# Altium PCB SmartHaloV1.PcbDoc (part 1 of 4) (continued)
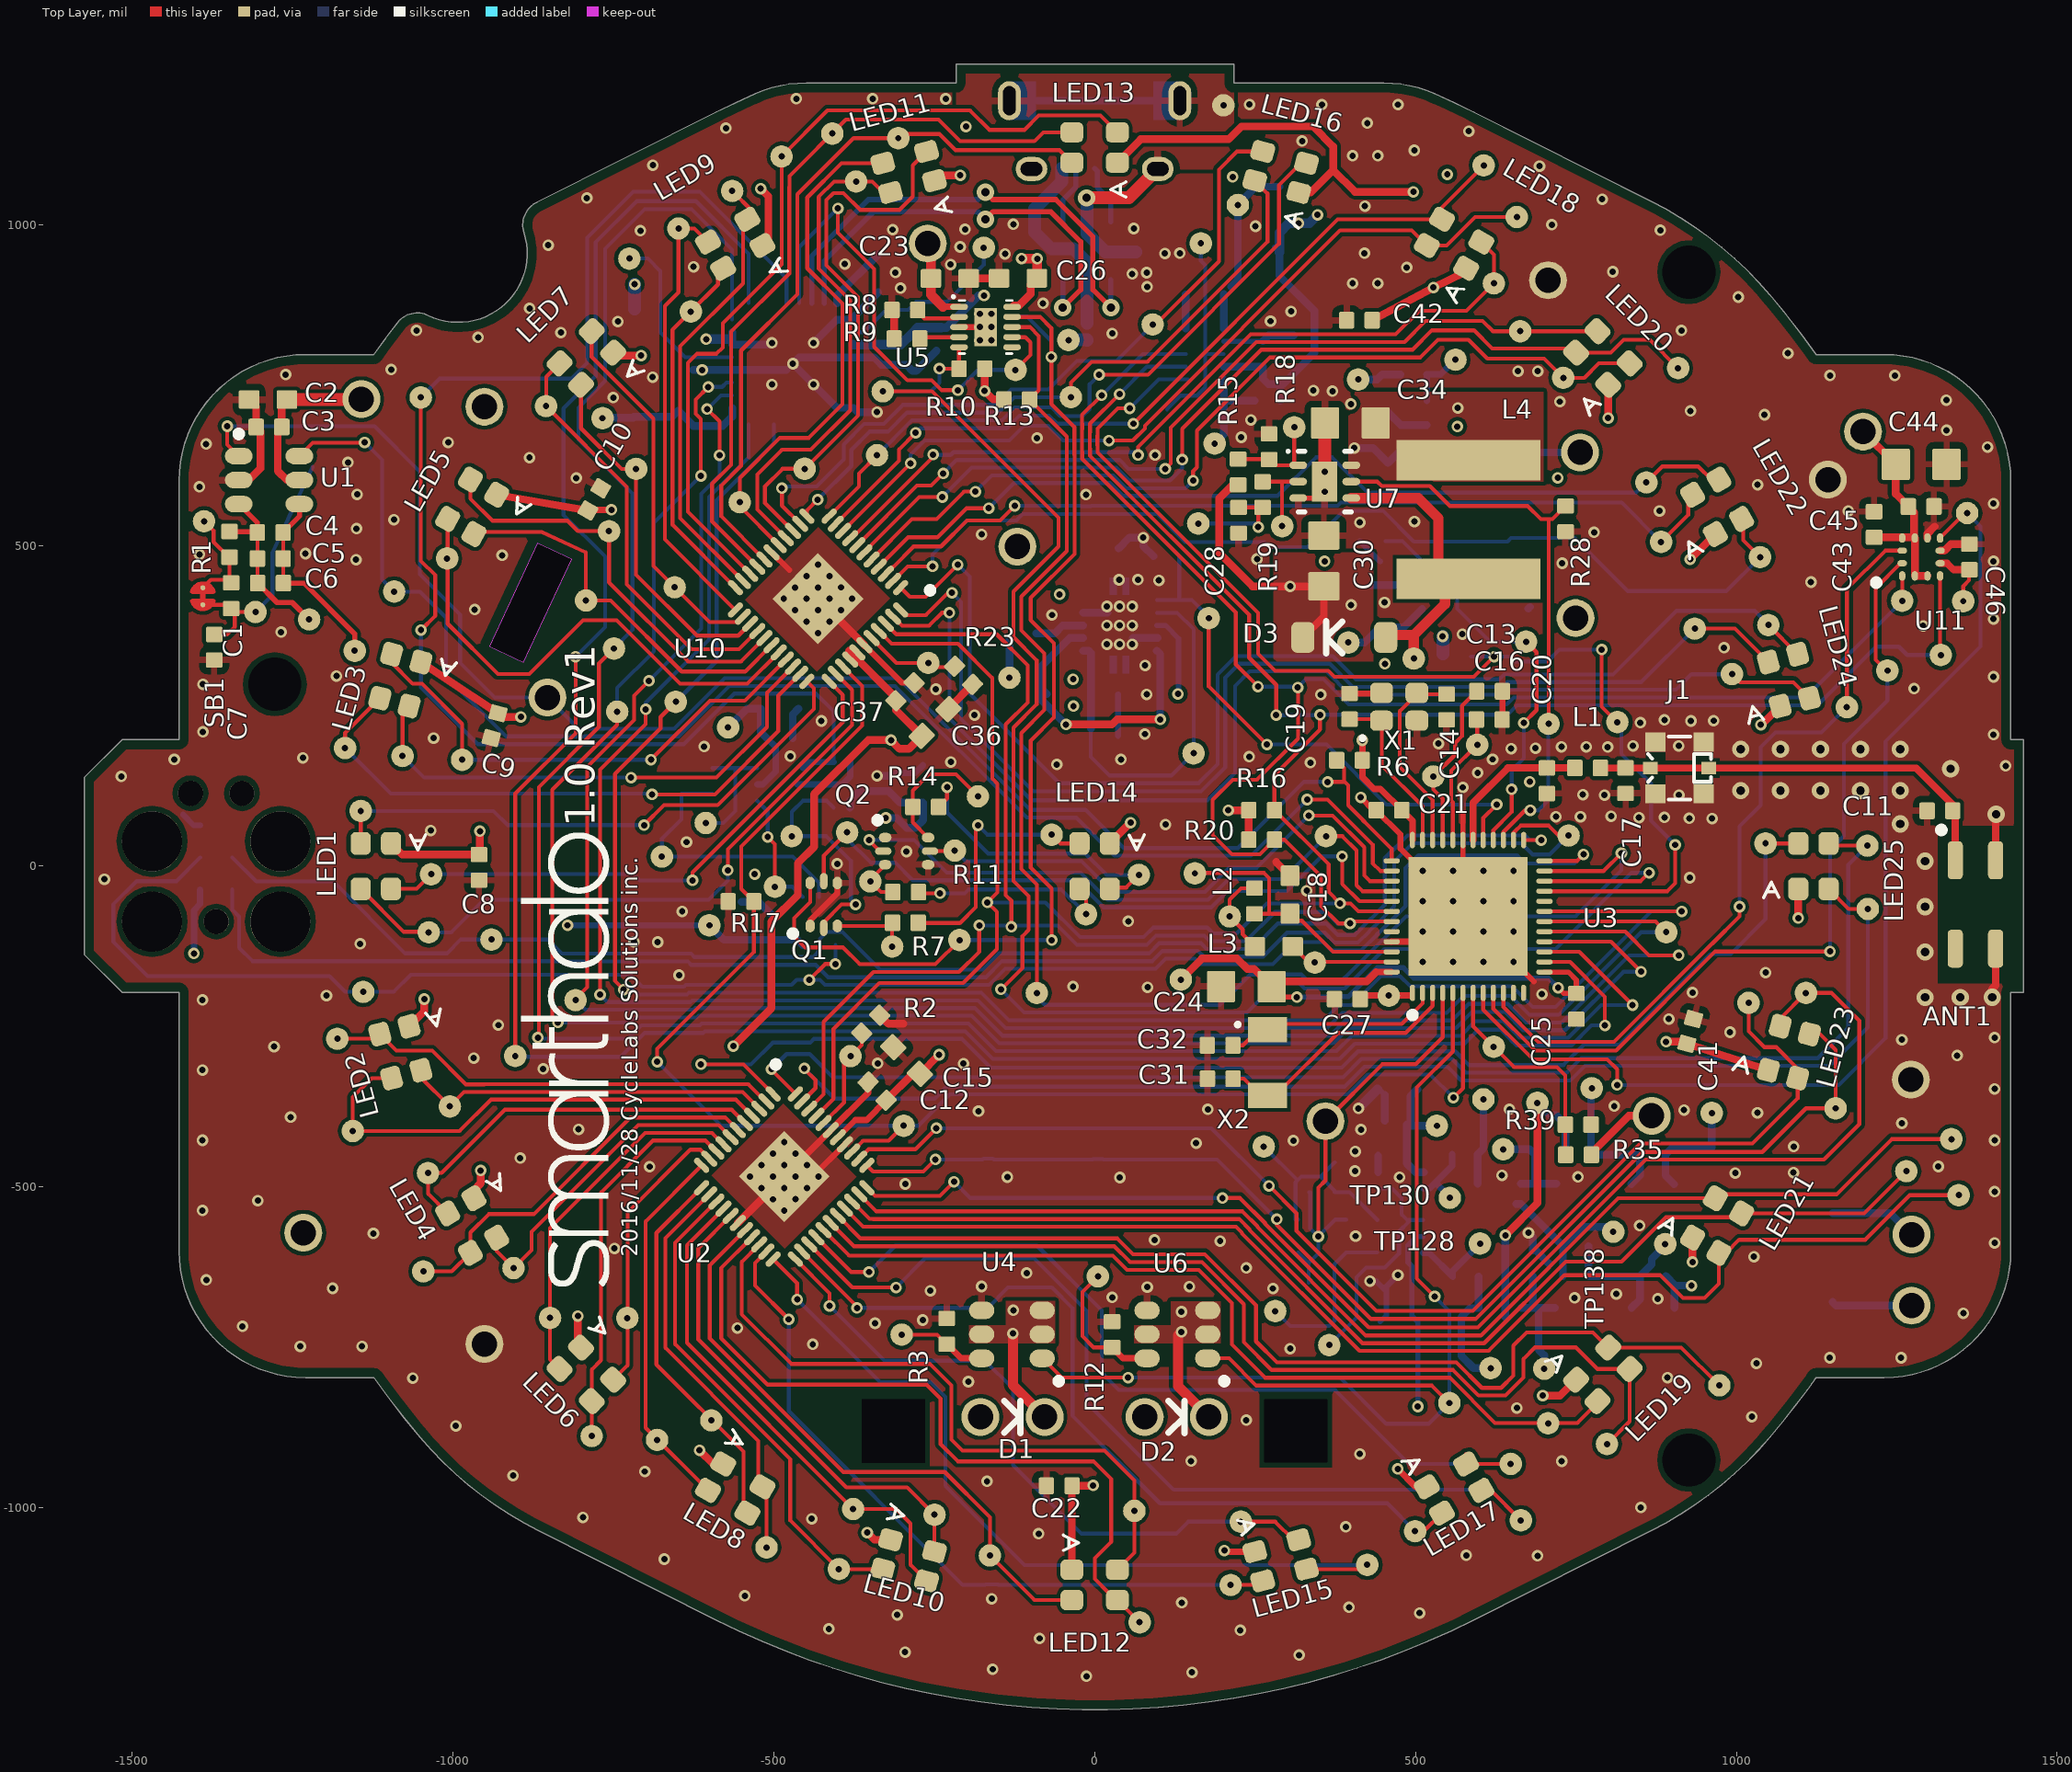
[diagram p0: Top Layer view]
## Components (designator, comment, footprint, x,y, rotation, side; value= is the part's Value field where it differs from the comment) (continued)
NT6 "NetTiePWR" NetTiePWR 60.3,967 r0 bottom net-tie
Q1 "NX3020NAKV" SOT666 -422.1,-59.7 r90 top
Q2 "NX3020NAKV" SOT666 -293,23.4 r0 top
Q3 "DSS5140V" SOT563 870,-708.1 r90 bottom
Q4 "DSS5140V" SOT563 869.6,-515.4 r90 bottom
Q5 "DSS4240V" SOT563 630.5,-514.6 r90 bottom
Q6 "DSS4240V" SOT563 631.4,-708.4 r90 bottom
Q7 "DSS4240V" SOT563 750.6,-708.2 r90 bottom
Q8 "DSS4240V" SOT563 753.4,-515.2 r90 bottom
R1 "2k Ohm" VARITRON_RES0402 -1348.2,501.5 r270 top
R2 "3.9k Ohm" VARITRON_RES0402 -349,-246.24 r45 top
R3 "100 Ohm" VARITRON_RES0402 -230.61,-724.88 r270 top
R4 "100k Ohm" VARITRON_RES0402 496.9,766.5 r180 bottom
R5 "3.3k Ohm" Varitron_RES0402 870,-639.3 r0 bottom
R6 "DNP" VARITRON_RES0402 397.2,165.1 r0 top
R7 "160 Ohm" VARITRON_RES0402 -295,-88.2 r0 top
R8 "560 Ohm" VARITRON_RES0402 -295.8,866.8 r180 top
R9 "1k Ohm" VARITRON_RES0402 -292.4,822.1 r180 top
R10 "DNP" VARITRON_RES0402 -191.4,775.3 r0 top
R11 "110 Ohm" VARITRON_RES0402 -294.6,-40.4 r0 top
R12 "100 Ohm" VARITRON_RES0402 27.24,-730.06 r270 top
R13 "DNP" VARITRON_RES0402 -121.4,727.4 r0 top
R14 "110 Ohm" VARITRON_RES0402 -263.3,92.2 r0 top
R15 "510k Ohm" VARITRON_RES0402 223.6,614.3 r270 top
R16 "4.7k Ohm" VARITRON_RES0402 260.2,87.2 r180 top
R17 "100k Ohm" VARITRON_RES0402 -551.1,-55 r0 top
R18 "33k Ohm" VARITRON_RES0402 271.8,653.8 r270 top
R19 "10k Ohm" VARITRON_RES0402 261.7,579.1 r270 top
R20 "4.7k Ohm" VARITRON_RES0402 260.2,41.2 r180 top
R21 "3.3k Ohm" Varitron_RES0402 869.6,-449.7 r0 bottom
R22 "3.3k Ohm" Varitron_RES0402 749.8,-639.1 r0 bottom
R23 "3.9k Ohm" VARITRON_RES0402 -204.16,297.46 r315 top
R24 "1.8k Ohm" VARITRON_RES0402 354.1,-508 r180 bottom
R25 "3.3k Ohm" Varitron_RES0402 753.5,-449.7 r0 bottom
R26 "100k Ohm" Varitron_RES0402 -595.7,132.7 r90 bottom
R27 "1.8k Ohm" VARITRON_RES0402 353.62,-649.26 r180 bottom
R28 "100k Ohm" VARITRON_RES0402 733.8,541.2 r270 top
R29 "100k Ohm" VARITRON_RES0402 433.2,506.5 r0 bottom
R30 "DNP" Varitron_RES0402 562.7,330.7 r180 bottom
R31 "100k Ohm" VARITRON_RES0402 111.8,482.8 r0 bottom
R32 "10k Ohm" VARITRON_RES0402 -234.3,863.7 r270 bottom
R33 "12k Ohm" VARITRON_RES0402 -278.3,899.4 r270 bottom
R34 "1k Ohm" Varitron_RES0402 113,691.9 r90 bottom
R35 "75k Ohm" Varitron_RES0402 754.1,-449.8 r0 top
R36 "12k Ohm" Varitron_RES0402 -696.7,868.3 r180 bottom
R37 "12k Ohm" Varitron_RES0402 -696.3,831 r180 bottom
R38 "1k Ohm" Varitron_RES0402 269.7,725.5 r180 bottom
R39 "12k Ohm" Varitron_RES0402 753.5,-402.9 r180 top
R40 "10k Ohm" Varitron_RES0402 577,-448.9 r180 bottom
R41 "10k Ohm" Varitron_RES0402 578.2,-639.7 r180 bottom
R42 "3.3k Ohm" Varitron_RES0402 682.8,-619.1 r90 bottom
R43 "3.3k Ohm" Varitron_RES0402 686.2,-429.6 r270 bottom
RSENSE1 "0.01 Ohm" Varitron_RES0805 171.5,901.4 r0 bottom
RT1 "NTCS0402E3103FLT" VARITRON_RES0402 -124.5,877 r270 bottom
SB1 "Solderbridge" Solderbridge_Shorted -1389.8,433.9 r270 top net-tie
TP1 "TP1" TESTPAD-TH-35mils 395.3,348.6 r180 bottom
TP2 "TP2" TESTPAD-TH-1_5mm 1142.7,602.5 r180 bottom
TP3 "TP3" TESTPAD-TH-1_5mm 868.03,-389 r180 bottom locked
TP4 "TP4" TESTPAD-TH-35mils 961.7,-384.7 r180 bottom
TP5 "TP5" TESTPAD-TH-1_5mm 1271.9,-332.6 r180 bottom
TP6 "TP6" TESTPAD-TH-1_5mm -950.9,-744.7 r180 bottom locked
TP7 "TP7" TESTPAD-TH-1_5mm -1233.2,-571.4 r180 bottom locked
TP8 "TP8" TESTPAD-TH-1_5mm -951,716 r180 bottom
TP9 "TP9" TESTPAD-TH-1_5mm 706.6,913.2 r180 bottom
TP10 "TP10" TESTPAD-TH-1_5mm 1197.42,677.3 r180 bottom
TP11 "TP11" TESTPAD-TH-1_5mm 756.5,644.9 r180 bottom
TP12 "TP12" TESTPAD-TH-35mils 134.3,-176.9 r180 bottom
TP13 "TP13" TESTPAD-TH-35mils -600.5,-92.2 r180 bottom locked
TP14 "TP14" TESTPAD-TH-35mils -571.2,216.3 r180 bottom
TP15 "TP15" TESTPAD-TH-35mils -766.8,698.2 r180 bottom
TP16 "TP16" TESTPAD-TH-1_5mm 749.4,386.6 r180 bottom
TP17 "TP17" TESTPAD-TH-35mils 533.3,-404.6 r180 bottom
TP18 "TP18" TESTPAD-TH-1_5mm -1142.7,727.9 r180 bottom locked
TP19 "TP19" TESTPAD-TH-1_5mm -260.2,970.4 r180 bottom locked
TP20 "TP20" TESTPAD-TH-35mils -40.8,819.9 r180 bottom
TP21 "TP21" TESTPAD-TH-1_5mm -120.4,498.1 r180 bottom locked
TP22 "TP22" TESTPAD-TH-35mils 410.6,758.5 r180 bottom
TP23 "TP23" TESTPAD-TH-35mils -1180.2,-269 r180 bottom locked
TP24 "TP24" TESTPAD-TH-35mils -1156.1,-412.8 r180 bottom locked
TP25 "TP25" TESTPAD-TH-35mils -1004.9,-374.4 r180 bottom locked
TP26 "TP26" TESTPAD-TH-35mils -1038.8,-478.2 r180 bottom locked
TP27 "TP27" TESTPAD-TH-35mils -1046.1,-631.5 r180 bottom locked
TP28 "TP28" TESTPAD-TH-35mils -905.5,-626.4 r180 bottom locked
TP29 "TP29" TESTPAD-TH-35mils -848.7,-704.1 r180 bottom locked
TP30 "TP30" TESTPAD-TH-35mils -783.7,-888.1 r180 bottom locked
TP31 "TP31" TESTPAD-TH-35mils -728.3,-704.3 r180 bottom locked
TP32 "TP32" TESTPAD-TH-35mils -681.8,-894.3 r180 bottom locked
TP33 "TP33" TESTPAD-TH-35mils -597.3,-863.7 r180 bottom locked
TP34 "TP34" TESTPAD-TH-35mils -511.3,-1061.8 r180 bottom locked
TP35 "TP35" TESTPAD-TH-35mils -398.62,-1095.58 r180 bottom locked
TP36 "TP36" TESTPAD-TH-35mils -376.4,-1001.9 r180 bottom locked
TP37 "TP37" TESTPAD-TH-35mils -249.58,-1010.82 r180 bottom locked
TP38 "TP38" TESTPAD-TH-35mils -163.2,-1074.3 r180 bottom locked
TP39 "TP39" TESTPAD-TH-35mils 70.1,-1178.37 r180 bottom locked
TP40 "TP40" TESTPAD-TH-35mils 61.9,-1004.8 r180 bottom locked
TP41 "TP41" TESTPAD-TH-35mils 211.9,-1120.3 r180 bottom locked
TP42 "TP42" TESTPAD-TH-35mils 424.8,-1088.8 r180 bottom locked
TP43 "TP43" TESTPAD-TH-35mils 227.7,-1021.7 r180 bottom locked
TP44 "TP44" TESTPAD-TH-35mils 499.3,-1036.4 r180 bottom locked
TP45 "TP45" TESTPAD-TH-35mils 664.1,-1019.5 r180 bottom locked
TP46 "TP46" TESTPAD-TH-35mils 648.4,-931.6 r180 bottom locked
TP47 "TP47" TESTPAD-TH-35mils 706.7,-868.3 r180 bottom locked
TP48 "TP48" TESTPAD-TH-35mils 798.5,-900.6 r180 bottom locked
TP49 "TP49" TESTPAD-TH-35mils 973.5,-809.1 r180 bottom locked
TP50 "TP50" TESTPAD-TH-35mils 1346.5,-512.8 r180 bottom locked
TP51 "TP51" TESTPAD-TH-35mils 1265,-475.3 r180 bottom locked
TP52 "TP52" TESTPAD-TH-35mils 1335,-425.5 r180 bottom locked
TP53 "TP53" TESTPAD-TH-35mils 1108.4,-197.6 r180 bottom locked
TP54 "TP54" TESTPAD-TH-35mils 1154.7,-377.4 r180 bottom locked
TP55 "TP55" TESTPAD-TH-35mils 1019.1,-213 r180 bottom locked
TP56 "TP56" TESTPAD-TH-35mils 1204.9,-66.7 r180 bottom locked
TP57 "TP57" TESTPAD-TH-35mils 1204.2,32 r180 bottom locked
TP58 "TP58" TESTPAD-TH-35mils 1045.47,35.43 r180 bottom locked
TP59 "TP59" TESTPAD-TH-35mils 1049.96,375.8 r180 bottom locked
TP60 "TP60" TESTPAD-TH-35mils 993.2,299.4 r180 bottom locked
TP61 "TP61" TESTPAD-TH-35mils 935.2,370.2 r180 bottom locked
TP62 "TP62" TESTPAD-TH-35mils 1318.7,329.1 r180 bottom locked
TP63 "TP63" TESTPAD-TH-35mils 1258.46,413.56 r180 bottom locked
TP64 "TP64" TESTPAD-TH-35mils 1235.4,304.8 r180 bottom locked
TP65 "TP65" TESTPAD-TH-35mils 1172.2,247.8 r180 bottom locked
TP66 "TP66" TESTPAD-TH-35mils 1037,481.6 r180 bottom locked
TP67 "TP67" TESTPAD-TH-35mils 859.8,598.1 r180 bottom locked
TP68 "TP68" TESTPAD-TH-35mils 882.7,505.3 r180 bottom locked
TP69 "TP69" TESTPAD-TH-35mils 663.17,833.77 r180 bottom locked
TP70 "TP70" TESTPAD-TH-35mils 909.2,776.2 r180 bottom locked
TP71 "TP71" TESTPAD-TH-35mils 730.3,761.1 r180 bottom locked
TP72 "TP72" TESTPAD-TH-35mils 622.2,908.4 r180 bottom locked
TP73 "TP73" TESTPAD-TH-35mils 657.9,1011.7 r180 bottom locked
TP74 "TP74" TESTPAD-TH-35mils 606.3,1092.1 r180 bottom locked
TP75 "TP75" TESTPAD-TH-35mils 1359.7,550.3 r180 bottom locked
TP76 "TP76" TESTPAD-TH-35mils 1353.6,413 r180 bottom locked
TP77 "TP77" TESTPAD-TH-35mils 738.5,47.8 r180 bottom locked
TP78 "TP78" TESTPAD-TH-35mils -1139.8,-195.9 r180 bottom locked
TP79 "TP79" TESTPAD-TH-35mils -940,-114.3 r180 bottom locked
TP80 "TP80" TESTPAD-TH-35mils -1037.8,-103.1 r180 bottom locked
TP81 "TP81" TESTPAD-TH-35mils -1033.9,-12.5 r180 bottom locked
TP82 "TP82" TESTPAD-TH-35mils -1143.7,86 r180 bottom locked
TP83 "TP83" TESTPAD-TH-35mils -1168.1,184.1 r180 bottom locked
TP84 "TP84" TESTPAD-TH-35mils -1078.6,171.7 r180 bottom locked
TP85 "TP85" TESTPAD-TH-35mils -985.7,165.9 r180 bottom locked
TP86 "TP86" TESTPAD-TH-35mils -1050.1,730.5 r180 bottom locked
TP87 "TP87" TESTPAD-TH-35mils -1009,479.6 r180 bottom locked
TP88 "TP88" TESTPAD-TH-35mils -792.7,414.1 r180 bottom locked
TP89 "TP89" TESTPAD-TH-35mils -756.8,522.2 r180 bottom locked
TP90 "TP90" TESTPAD-TH-35mils -854.9,717 r180 bottom locked
TP91 "TP91" TESTPAD-TH-35mils -714.6,619.1 r180 bottom locked
TP92 "TP92" TESTPAD-TH-35mils -654.5,434.7 r180 bottom locked
TP93 "TP93" TESTPAD-TH-35mils -629.3,864.4 r180 bottom locked
TP94 "TP94" TESTPAD-TH-35mils -648.4,993.8 r180 bottom locked
TP95 "TP95" TESTPAD-TH-35mils -564.9,1052.4 r180 bottom locked
TP96 "TP96" TESTPAD-TH-35mils 552.8,-836.7 r180 bottom locked
TP97 "TP97" TESTPAD-TH-35mils -300.7,-730.1 r180 bottom locked
TP98 "TP98" TESTPAD-TH-35mils 5.1,-639.3 r180 bottom locked
TP99 "TP99" TESTPAD-TH-35mils 69,-13.6 r180 bottom locked
TP100 "TP100" TESTPAD-TH-1_5mm -852.7,262.8 r180 bottom locked
TP101 "TP101" TESTPAD-TH-35mils -1091.6,427.9 r180 bottom locked
TP102 "TP102" TESTPAD-TH-35mils -1153.1,335.7 r180 bottom locked
TP103 "TP103" TESTPAD-TH-35mils -1224.1,384.6 r180 bottom locked
TP104 "TP104" TESTPAD-TH-35mils -1307.7,396.1 r180 bottom locked
TP105 "TP105" TESTPAD-TH-35mils -13.5,-74.9 r180 bottom locked
TP106 "TP106" TESTPAD-TH-35mils -67,49.1 r180 bottom locked
TP107 "TP107" TESTPAD-TH-35mils -218,24.3 r180 bottom locked
TP108 "TP108" TESTPAD-TH-35mils -385.7,52.6 r180 bottom locked
TP109 "TP109" TESTPAD-TH-35mils 360.5,46.7 r180 bottom locked
TP110 "TP110" TESTPAD-TH-35mils -181.8,108.8 r180 bottom locked
TP111 "TP111" TESTPAD-TH-35mils -210.6,-115.2 r180 bottom locked
TP112 "TP112" TESTPAD-TH-35mils -315.6,-125.4 r180 bottom locked
TP113 "TP113" TESTPAD-TH-35mils -349.5,-23.8 r180 bottom locked
TP114 "TP114" TESTPAD-TH-35mils -472,46.7 r180 bottom locked
TP115 "TP115" TESTPAD-TH-35mils -297.6,-404.5 r180 bottom locked
TP116 "TP116" TESTPAD-TH-35mils -487.8,1106.12 r180 bottom locked
TP117 "TP117" TESTPAD-TH-35mils -408.8,1141.8 r180 bottom locked
TP118 "TP118" TESTPAD-TH-35mils -306,1134.6 r180 bottom locked
TP119 "TP119" TESTPAD-TH-35mils -451.9,619.3 r180 bottom locked
TP120 "TP120" TESTPAD-TH-35mils -371.7,1067 r180 bottom locked
TP121 "TP121" TESTPAD-TH-35mils -553,567.3 r180 bottom locked
TP122 "TP122" TESTPAD-TH-35mils 90.5,844.2 r180 bottom locked
TP123 "TP123" TESTPAD-TH-35mils -339.2,640.5 r180 bottom locked
TP124 "TP124" TESTPAD-TH-35mils -37,730.9 r180 bottom locked
TP125 "TP125" TESTPAD-TH-1_5mm 359.7,-397.4 r180 bottom locked
TP126 "TP126" TESTPAD-TH-35mils 263.5,-436.9 r180 bottom locked
TP127 "TP127" TESTPAD-TH-35mils 281.4,-693.5 r180 bottom locked
TP128 "TP128" TESTPAD-TH-35mils 600.6,-588.2 r180 bottom locked
TP129 "TP129" TESTPAD-TH-35mils 365.6,-746.3 r180 bottom
TP130 "TP130" TESTPAD-TH-35mils 553.5,-516.9 r180 bottom locked
TP131 "TP131" TESTPAD-TH-35mils 617,-782.3 r180 bottom locked
TP132 "TP132" TESTPAD-TH-35mils 689.9,-368.9 r180 bottom
TP133 "TP133" TESTPAD-TH-35mils 700.6,-783.3 r180 bottom locked
TP134 "TP134" TESTPAD-TH-35mils 889.1,-589 r180 bottom
TP135 "TP135" TESTPAD-TH-35mils 774.7,-346.1 r180 bottom locked
TP136 "TP136" TESTPAD-TH-35mils 636.7,-441.2 r180 bottom
TP137 "TP137" TESTPAD-TH-35mils 605.8,-363.4 r180 bottom
TP138 "TP138" TESTPAD-TH-35mils 808.2,-569.8 r180 bottom
TP139 "TP139" TESTPAD-TH-1_5mm 1273.1,-574.2 r180 bottom locked
TP140 "TP140" TESTPAD-TH-1_5mm 1273.1,-684.9 r180 bottom locked
TP141 "TP141" TESTPAD-TH-35mils -1387.8,537.5 r180 bottom locked
TP142 "TP142" TESTPAD-TH-35mils -749.1,339.2 r180 bottom locked
TP143 "TP143" TESTPAD-TH-35mils -744.1,240.7 r180 bottom locked
TP144 "TP144" TESTPAD-TH-35mils -652.8,256.1 r180 bottom locked
TP145 "TP145" TESTPAD-TH-35mils -808.8,-208.8 r180 bottom locked
TP146 "TP146" TESTPAD-TH-35mils -902.9,-295.9 r180 bottom locked
TP147 "TP147" TESTPAD-TH-35mils 890.7,-102.9 r180 bottom locked
TP148 "TP148" TESTPAD-TH-35mils -123.4,773.4 r180 bottom locked
TP149 "TP149" TESTPAD-TH-35mils -330.1,740.1 r180 bottom locked
TP150 "TP150" TESTPAD-TH-35mils -90.1,-197.8 r180 bottom locked
TP151 "TP151" TESTPAD-TH-35mils -725,947 r180 bottom locked
TP152 "TP152" TESTPAD-TH-35mils -172.8,963.8 r180 bottom locked
TP153 "TP153" TESTPAD-TH-35mils -606,67.3 r180 bottom locked
TP154 "TP154" TESTPAD-TH-35mils -674.4,14.9 r180 bottom locked
TP155 "TP155" TESTPAD-TH-35mils -498.2,-32.1 r180 bottom locked
TP156 "TP156" TESTPAD-TH-35mils -259.3,316.7 r180 bottom locked
TP157 "TP157" TESTPAD-TH-35mils -380.4,-296.1 r180 bottom locked
TP158 "TP158" TESTPAD-TH-35mils 156.2,-11.2 r180 bottom locked
TP159 "TP159" TESTPAD-TH-35mils 210.4,-78.4 r180 bottom locked
TP160 "TP160" TESTPAD-TH-35mils 177.8,386.5 r180 bottom locked
TP161 "TP161" TESTPAD-TH-35mils 707.4,221.9 r180 bottom locked
TP162 "TP162" TESTPAD-TH-35mils 672.3,349.8 r180 bottom locked
TP163 "TP163" TESTPAD-TH-35mils 814.5,224.4 r180 bottom locked
TP164 "TP164" TESTPAD-TH-35mils 527.8,139.8 r180 bottom locked
TP165 "TP165" TESTPAD-TH-35mils 596.2,189.1 r180 bottom locked
TP166 "TP166" TESTPAD-TH-35mils 161.5,534 r180 bottom locked
TP167 "TP167" TESTPAD-TH-35mils 458.4,-201.8 r180 bottom locked
TP168 "TP168" TESTPAD-TH-35mils 343,-150.2 r180 bottom locked
TP169 "TP169" TESTPAD-TH-35mils 187,658.6 r180 bottom locked
TP170 "TP170" TESTPAD-TH-35mils 292.2,529.9 r180 bottom locked
TP171 "TP171" TESTPAD-TH-35mils 154.2,175.9 r180 bottom locked
TP172 "TP172" TESTPAD-TH-35mils 497.3,323.6 r180 bottom locked
TP173 "TP173" TESTPAD-TH-35mils 223.2,1030.4 r180 bottom
TP174 "TP174" TESTPAD-TH-35mils -132.8,293.7 r180 bottom locked
TP175 "TP175" TESTPAD-TH-35mils 562.3,789.4 r180 bottom locked
TP176 "TP176" TESTPAD-TH-35mils 200.7,1185.8 r180 bottom locked
TP177 "TP177" TESTPAD-TH-35mils 165.5,970.7 r180 bottom locked
TP178 "TP178" TESTPAD-TH-35mils 621.9,-281.4 r180 bottom locked
TP179 "TP179" TESTPAD-TH-35mils 311,684.1 r180 bottom locked
U1 "AT42QT1010" 6ST1_N -1286.53,601.75 r0 top locked
U2 "IS31FL3236-QFLS2-TR" QFN-44 -483.7,-483.7 r315 top locked
U3 "nRF52832-QFAA" QFN40P600X600X90-48N 581.9,-78.4 r90 top
U4 "IS31LT3171" SOT23-6 -128.94,-729.65 r90 top
U5 "BQ24040DSQR" DSQ10-1500X900TP -170,840.2 r270 top
U6 "IS31LT3171" SOT23-6 128.94,-729.65 r90 top
U7 "TPS61170DRVR" DRV6-1600X1000TP 358.6,599.3 r0 top
U8 "74LVC2GU04DCKRG4" SOT363_SC70_6 477.31,-476.87 r90 bottom
U9 "NL27WZ14DFT2G" SOT363_SC70_6 476.15,-577.02 r90 bottom
U10 "IS31FL3236-QFLS2-TR" QFN-44 -431.1,416.7 r225 top
U11 "LSM303AGR" LGA12-2X2X1_N 1287.98,481.9 r90 top locked
U12 "TLV70028DDCR" SOT23-5_N 557.8,438.32 r0 bottom
U13 "TLV70028DDCR" SOT23-5_N 564.9,687.62 r0 bottom
U14 "STC3115AIQT" DFN10 171.57,798.13 r90 bottom
U15 "TPS61202DRCR" DRC10-2400X1650TP 38.9,375.2 r0 bottom
U16 "CY7C65213-32LTXI" QFN-32-TP -470.4,783.1 r0 bottom
U17 "USBLC6-2SC6" ST-SOT23-6 -12.1,959.1 r0 bottom
U18 "74LVC2GU04DCKRG4" SOT363_SC70_6 -381.13,126.7 r0 bottom
U19 "74LVC2GU04DCKRG4" SOT363_SC70_6 -490.4,127.4 r270 bottom
U20 "MC74VHC1G00DFT1G" SC70-5 -429.47,-85.5 r0 bottom
X1 "CX2016DB32000D0WPRC1" CRYSTAL_2016_4PINS 474.5,248.4 r0 top
X2 "ST3215SB32768E0HPWB1" CRYSTAL_3215_2PINS 269.24,-305.95 r270 top

## Footprints (in the part's own frame and the unit in brackets; to place one, negate y for a bottom-side part, rotate by r counter-clockwise, add the part's x,y. Pads: shape width x height; smd on the part's side, far side on the other; paste and mask are expansions set on the pad)
6ST1_N [mm] "SOT23, 6-Leads, Body 2.9x1.6mm, Pitch 0.95mm, Lead Span 2.8mm, IPC Medium Density"
  oval 1.1x0.65 smd mask+0.076: 1(-1.2,0.95) 2(-1.2,0) 3(-1.2,-0.95) 4(1.2,-0.95) 5(1.2,0) 6(1.2,0.95)
  silkscreen extent -1.32,1.7 -1.07,1.95, body extent -0.87,-1.5 0.87,1.5, height 1.45
2450AT42E010B [mm] "2.4 GHz Low Profile Mini Chip Antenna, Above Metal, 4 pads, 1.5 x 0.6 mm pads, 3.5 x 1.6 mm pitch, 6.26 x 3 mm metal clearance"
  rrect50% 1.5x0.6 smd: 1(1.75,0.8) 2(-1.75,0.8) 3(-1.75,-0.8) 4(1.75,-0.8)
  Top Layer pour cut-out: -3.13,-1.5 -3.13,1.5 3.13,1.5 3.13,-1.5
  silkscreen extent 2.83,1.22 3.07,1.47, body extent -2.5,-1 2.5,1, height 1.52
10118194-0001LF [mm] "Micro USB B Type Receptacle, 5 pins, 0.4 x 1.35 mm pads"
  rrect100% 0.9x1.55 hole 0.5 slot 1.15 at 90 deg: 0(-3.375,-2.675) 0(3.375,-2.675)
  rect 0.5x0.5 smd paste-0.1 mask-0.1: 0(-2.6,-2.675) 0(2.6,-2.675)
  rrect100% 1.25x0.95 hole 0.55 slot 0.85 at 0 deg: 0(-2.5,0.025) 0(2.5,0.025)
  rect 1.5x1.55 smd: 0(-1,-2.675) 0(1,-2.675)
  oval 0.4x1.35 smd mask+0.051: 1(-1.3,0) 2(-0.65,0) 3(0,0) 4(0.65,0) 5(1.3,0)
  Top Layer region: -3.325,-3.425 -3.516,-3.387 -3.679,-3.279 -3.787,-3.116 -3.825,-2.925 -3.825,-2.925 -3.825,-2.425 -3.787,-2.234 -3.679,-2.071 -3.516,-1.963 -3.325,-1.925 -3.325,-1.925 -2.325,-1.925 -2.325,-3.425
  Top Layer region: 3.325,-1.925 3.516,-1.963 3.679,-2.071 3.787,-2.234 3.825,-2.425 3.825,-2.425 3.825,-2.925 3.787,-3.116 3.679,-3.279 3.516,-3.387 3.325,-3.425 3.325,-3.425 2.325,-3.425 2.325,-1.925
  body extent -3.7,-4.82 3.7,0.13, height 3.06
59453061110ECHLF [mm] "Connector, 6 contacts, 0.3 x 0.9 mm pads, 0.52 x 1.0 mm mechanical pads, 0.5 mm pitch"
  oval 0.52x1 smd: 0(-1.99,-1.2) 0(1.99,-1.2)
  oval 0.3x0.9 smd mask+0.051: 1(-1.25,0) 2(-0.75,0) 3(-0.25,0) 4(0.25,0) 5(0.75,0) 6(1.25,0)
  silkscreen extent -2.25,-3.35 2.25,-0.15, body extent -2.25,-3.35 2.25,-0.15, height 0.9
709296001002006 [mm] "Connector Wire to Board, 2.0 x 2.0 mm, 2 pads, 2.4 x 2.2 mm, 4 mm pitch"
  rect 2.4x2.2 smd: 1(-2,0) 1(2,0)
  silkscreen extent -0.6,-1.4 0.51,1.4, body extent -3,-1 3,1, height 2
BM02(3)B-ADHSS-GAN-ETB [mm] "ADH Connector, 2 pins, 0.9 x 0.6 mm pads, 2 mecanical pads 2.2 x 0.75 mm"
  rect 2.2x0.75 smd: 0(-3.4,-2.525) 0(-3.4,2.525)
  rect 0.9x0.6 smd: 1(0,1.3) 2(0,-1.3)
  silkscreen extent 0.52,2.53 0.77,2.77, body extent -4,-2.85 0.3,2.85, height 1.9
COAXIAL-SWF [mm]
  rect 0.5x0.58 smd: 1(0,1.16) 3(0,-1.16)
  rect 0.75x0.8 smd: 2(-1.025,0.95) 2(-1.025,-0.95) 2(1.025,-0.95) 2(1.025,0.95)
  Top Layer pour cut-out: 0.65,-0.55 -0.65,-0.55 -0.65,-1.35 0.65,-1.35
  Top Layer pour cut-out: -0.65,0.55 0.65,0.55 0.65,1.35 -0.65,1.35
  silkscreen extent -1.25,-1.25 1.25,1.25
CRYSTAL_2016_4PINS [mm] "CRYSTAL 2.0 x 1.6 mm, 4 Pads, 1.4 mm Horizontal Pitch, 1.1 mm Vertical Pitch"
  rrect50% 0.9x0.8 smd: 1(-0.7,-0.55) 2(0.7,-0.55) 3(0.7,0.55) 4(-0.7,0.55)
  silkscreen extent -1.47,-1.27 -1.42,-1.22, body extent -1,-0.8 1,0.8, height 0.4
CRYSTAL_3215_2PINS [mm] "CRYSTAL 3.2 x 1.5 x 0.8 mm, 2 Pads 1.0 x 1.55 mm, 2.6 mm pitch"
  rect 1x1.55 smd: 1(-1.3,0) 2(1.3,0)
  silkscreen extent -1.53,-1.2 -1.47,-1.15, body extent -1.6,-0.75 1.6,0.75, height 0.8
DFN10 [mm] "DFN10, 10 pins, 2 x 3 x 0.55 mm body, 0.35 x 0.85 mm pads, 0.5 mm x 1.5 mm pitch."
  oval 0.35x1 smd: 1(-1,-0.675)
  oval 0.35x0.85 smd: 2(-0.5,-0.75) 3(0,-0.75) 4(0.5,-0.75) 5(1,-0.75) 6(1,0.75) 7(0.5,0.75) 8(0,0.75) 9(-0.5,0.75) 10(-1,0.75)
  silkscreen extent -1.6,-1.55 -1.5,-1.45, body extent -1.5,-1 1.5,1, height 0.55
DRC10-2400X1650TP [mm] "SON, 10-Leads, Body 3x3mm, Pitch 0.5mm, Thermal Pad 2.4x1.65mm, TI Recommended"
  oval 0.85x0.28 smd paste-0.025 mask+0.07: 1(-1.475,1) 2(-1.475,0.5) 3(-1.475,0) 4(-1.475,-0.5) 5(-1.475,-1) 6(1.475,-1) 7(1.475,-0.5) 8(1.475,0) 9(1.475,0.5) 10(1.475,1)
  rect 1.65x2.4 smd paste-0.825 mask+0.07: 11(0,0)
  Top Layer region: -0.389,-1.198 -0.109,-1.198 -0.109,-1.898 -0.389,-1.898
  Top Layer region: 0.389,-1.898 0.109,-1.898 0.109,-1.198 0.389,-1.198
  Top Layer region: 0.389,1.198 0.109,1.198 0.109,1.898 0.389,1.898
  Top Layer region: -0.389,1.898 -0.109,1.898 -0.109,1.198 -0.389,1.198
  silkscreen extent -2.15,-1.7 1.7,1.7, body extent -1.55,-1.55 1.55,1.55, height 1
DRV6-1600X1000TP [mm] "SON, 6-Leads, Body 2x2mm, Pitch 0.65mm, Thermal Pad 1.6x1mm, TI Recommended"
  oval 0.7x0.3 smd paste-0.025 mask+0.07: 1(-1.05,0.65) 2(-1.05,0) 3(-1.05,-0.65) 4(1.05,-0.65) 5(1.05,0) 6(1.05,0.65)
  rect 1x1.6 smd paste-0.5 mask+0.07: 7(0,0)
  silkscreen extent -1.5,-1.2 1.05,1.25, body extent -1.05,-1.05 1.05,1.05, height 0.8
DSQ10-1500X900TP [mm] "WSON-10, 10 pins, 0.23 x 0.7 mm pads, 0.4 x 2.1 mm pitch, Thermal pad 0.9 x 1.5 mm"
  oval 0.23x0.7 smd mask+0.051: 1(-0.8,-1.05) 2(-0.4,-1.05) 3(0,-1.05) 4(0.4,-1.05) 5(0.8,-1.05) 6(0.8,1.05) 7(0.4,1.05) 8(0,1.05) 9(-0.4,1.05) 10(-0.8,1.05)
  rect 1.5x0.9 smd mask+0.051: 11(0,0)
  silkscreen extent -1.25,-1.32 1.05,1.05, body extent -1.05,-1.05 1.05,1.05, height 0.8
FRONTLED_PADS [mm] "Front Led pads"
  round 1.5 hole 1: 1(-1.27,0) 2(1.27,0)
  silkscreen extent -0.34,-0.64 0.3,0.64
JLINK_6PIN_NEEDLE_ADAPTER [mil] "JLINK 6 PIN NEEDLE ADAPTER FOOTPRINT: Only for development (DNP)"
  round 93.5 hole 93.5 unplated paste-93.5: 0(-100,-100) 0(-100,100) 0(25,-100) 0(25,100)
  round 39 hole 39 unplated paste-39: 0(-100,0) 0(100,-40) 0(100,40)
  round 31 smd paste-31: 1(-50,-25) 2(-50,25) 3(0,-25) 4(0,25) 5(50,-25) 6(50,25)
  Mechanical 3 keep-out region: -130.5,147 -69.5,147 -69.5,193 -130.5,193
  Mechanical 3 keep-out region: -5.5,147 55.5,147 55.5,193 -5.5,193
  Mechanical 3 keep-out region: -130.5,-193 -69.5,-193 -69.5,-147 -130.5,-147
  Mechanical 3 keep-out region: -5.5,-193 55.5,-193 55.5,-147 -5.5,-147
  Mechanical 3 keep-out region: -50,-25 -50,25 50,25 50,-25
LGA12-2X2X1_N [mm] "PQFN, 12-Leads, Body 2x2mm, Pitch 0.5mm, IPC Medium Density"
  oval 0.375x0.25 smd mask+0: 1(-0.75,0.75) 2(-0.75,0.25) 3(-0.75,-0.25) 4(-0.75,-0.75) 7(0.75,-0.75) 8(0.75,-0.25) 9(0.75,0.25) 10(0.75,0.75)
  oval 0.25x0.375 smd mask+0: 5(-0.25,-0.75) 6(0.25,-0.75) 11(0.25,0.75) 12(-0.25,0.75)
  silkscreen extent -1.14,1.65 -0.89,1.9, body extent -1.14,-1.14 1.14,1.14, height 1
LTSN-N213EGBW [mm] "SMD LED LiteOn LTSN-N213EGBW, 2.1 x 2.1 mm, 1.2 x 1.8mm pitch"
  rrect50% 0.8x0.9 smd: 1(-0.6,-0.9) 2(0.6,-0.9) 3(0.6,0.9) 4(-0.6,0.9)
  silkscreen extent -1.97,-1.24 -1.36,-0.64, body extent -1.05,-1.05 1.05,1.05, height 1
NetTiePWR [mil] "NetTie for Power Nets"
  rect 20x20 smd paste-10 mask+0: 1(10,10) 2(30,10)
ONSC-SOD-123-2-425-04_V [mil] "Schottky Power Rectifier, 2-Pin SOD-123, Pb-Free, Tape and Reel"
  rrect50% 36x48 smd: 1(-64.5,0) 2(64.5,0)
  silkscreen extent -28,-25 -3,25, body extent -73,-32 73,32, height 53
QFN40P600X600X90-48N [mm]
  oval 0.65x0.2 smd: 1(-3.025,2.2) 2(-3.025,1.8) 3(-3.025,1.4) 4(-3.025,1) 5(-3.025,0.6) 6(-3.025,0.2) 7(-3.025,-0.2) 8(-3.025,-0.6) 9(-3.025,-1) 10(-3.025,-1.4) 11(-3.025,-1.8) 12(-3.025,-2.2) 25(3.025,-2.2) 26(3.025,-1.8) 27(3.025,-1.4) 28(3.025,-1) 29(3.025,-0.6) 30(3.025,-0.2) 31(3.025,0.2) 32(3.025,0.6) 33(3.025,1) 34(3.025,1.4) 35(3.025,1.8) 36(3.025,2.2)
  oval 0.2x0.65 smd: 13(-2.2,-3.025) 14(-1.8,-3.025) 15(-1.4,-3.025) 16(-1,-3.025) 17(-0.6,-3.025) 18(-0.2,-3.025) 19(0.2,-3.025) 20(0.6,-3.025) 21(1,-3.025) 22(1.4,-3.025) 23(1.8,-3.025) 24(2.2,-3.025) 37(2.2,3.025) 38(1.8,3.025) 39(1.4,3.025) 40(1,3.025) 41(0.6,3.025) 42(0.2,3.025) 43(-0.2,3.025) 44(-0.6,3.025) 45(-1,3.025) 46(-1.4,3.025) 47(-1.8,3.025) 48(-2.2,3.025)
  rect 4.7x4.7 smd: 49(0,0)
  silkscreen extent -4.02,2.07 -3.78,2.32, body extent -3,-3 3,3, height 0.9
QFN-32-TP [mm] "QFN-32, 5.0 x 5.0 x 1.0 mm body, 0.25 x 0.7 mm pads, 2.75 x 2.75 thermal pad"
  oval 0.7x0.25 smd mask+0.051: 1(-2.4,1.75) 2(-2.4,1.25) 3(-2.4,0.75) 4(-2.4,0.25) 5(-2.4,-0.25) 6(-2.4,-0.75) 7(-2.4,-1.25) 8(-2.4,-1.75) 17(2.4,-1.75) 18(2.4,-1.25) 19(2.4,-0.75) 20(2.4,-0.25) 21(2.4,0.25) 22(2.4,0.75) 23(2.4,1.25) 24(2.4,1.75)
  oval 0.25x0.7 smd mask+0.051: 9(-1.75,-2.4) 10(-1.25,-2.4) 11(-0.75,-2.4) 12(-0.25,-2.4) 13(0.25,-2.4) 14(0.75,-2.4) 15(1.25,-2.4) 16(1.75,-2.4) 25(1.75,2.4) 26(1.25,2.4) 27(0.75,2.4) 28(0.25,2.4) 29(-0.25,2.4) 30(-0.75,2.4) 31(-1.25,2.4) 32(-1.75,2.4)
  rect 2.75x2.75 smd mask+0.051: 33(0,0)
  silkscreen extent -3.17,2.58 -2.93,2.82, body extent -2.5,-2.5 2.5,2.5, height 1
QFN-44 [mm] "QFN-44, 5 x 5 x 0.8 mm body, 0.25 x 0.8 mm pads, 0.4 pin pitch, 2.55 x 2.55 mm thermal pad"
  oval 0.75x0.25 smd mask+0.064: 1(-2.625,2) 11(-2.625,-2) 23(2.625,-2) 33(2.625,2)
  oval 0.8x0.25 smd mask+0.064: 2(-2.6,1.6) 3(-2.6,1.2) 4(-2.6,0.8) 5(-2.6,0.4) 6(-2.6,0) 7(-2.6,-0.4) 8(-2.6,-0.8) 9(-2.6,-1.2) 10(-2.6,-1.6) 24(2.6,-1.6) 25(2.6,-1.2) 26(2.6,-0.8) 27(2.6,-0.4) 28(2.6,0) 29(2.6,0.4) 30(2.6,0.8) 31(2.6,1.2) 32(2.6,1.6)
  oval 0.25x0.75 smd mask+0.064: 12(-2,-2.625) 22(2,-2.625) 34(2,2.625) 44(-2,2.625)
  oval 0.25x0.8 smd mask+0.064: 13(-1.6,-2.6) 14(-1.2,-2.6) 15(-0.8,-2.6) 16(-0.4,-2.6) 17(0,-2.6) 18(0.4,-2.6) 19(0.8,-2.6) 20(1.2,-2.6) 21(1.6,-2.6) 35(1.6,2.6) 36(1.2,2.6) 37(0.8,2.6) 38(0.4,2.6) 39(0,2.6) 40(-0.4,2.6) 41(-0.8,2.6) 42(-1.2,2.6) 43(-1.6,2.6)
  rect 2.55x2.55 smd: 45(0,0)
  silkscreen extent -3.5,2.78 -3.25,3.02, body extent -2.5,-2.5 2.5,2.5, height 0.8
SC70-5 [mm] "SC70-5, 0.4 x 0.5 mm pads, 0.65 x 1.9 mm pitch"
  oval 0.4x0.5 smd mask+0.051: 1(-0.65,-0.95) 2(0,-0.95) 3(0.65,-0.95) 4(0.65,0.95) 5(-0.65,0.95)
  body extent -1,-0.63 1,0.63, height 1.1
Solderbridge_Shorted [mm]
  round 0.2 smd paste-10: 1(0,0) 2(0.676,0)
  Top Layer region: 0.44,0.432 0.516,0.505 0.634,0.467 0.698,0.424 0.772,0.351 0.826,0.292 0.884,0.193 0.912,0.099 0.907,-0.122 0.881,-0.193 0.798,-0.33 0.714,-0.411 0.622,-0.469 0.521,-0.5 0.47,-0.483 0.44,-0.43
  Top Layer region: 0.236,-0.432 0.16,-0.505 0.042,-0.467 -0.023,-0.424 -0.097,-0.351 -0.15,-0.292 -0.208,-0.193 -0.236,-0.099 -0.231,0.122 -0.206,0.193 -0.122,0.33 -0.038,0.411 0.054,0.469 0.155,0.5 0.206,0.483 0.236,0.43
  Top Layer lines w0.152: 0.516,-0.431 ccw(c0.406,0) 0.516,0.431 ; 0.159,-0.431 cw(c0.27,0) 0.159,0.431
  Top Layer lines w0.203: 0.676,0 0,0
SOT23-5_N [mm] "SOT23, 5-Leads, Body 2.9x1.6mm, Pitch 0.95mm, Lead Span 2.8mm, IPC Medium Density"
  oval 1.1x0.65 smd: 1(-1.2,0.95) 2(-1.2,0) 3(-1.2,-0.95) 4(1.2,-0.95) 5(1.2,0.95)
  silkscreen extent -1.32,1.7 -1.07,1.95, body extent -0.9,-1.55 0.9,1.55, height 1.4
SOT23-6 [mm] "SOT23-6 pins, 2.92 x 1.6 mm body, 0.7mm x 1mm pads, 0.95 x 2.4 mm pitch"
  oval 0.7x1 smd mask+0.051: 1(-0.95,-1.2) 2(0,-1.2) 3(0.95,-1.2) 4(0.95,1.2) 5(0,1.2) 6(-0.95,1.2)
  silkscreen extent -1.98,-1.98 -1.73,-1.73, body extent -1.56,-0.9 1.56,0.9, height 1.35
SOT363_SC70_6 [mil] "SOT363-6, SC70, 2 x 1.25 x 1 mm body, 16 x 26 mils pads, 26 x 71 mils pitch"
  oval 16x26 smd mask+2: 1(-25.5,-35.5) 2(0,-35.5) 3(25.5,-35.5) 4(25.5,35.5) 5(0,35.5) 6(-25.5,35.5)
  silkscreen extent -57,-40 -47,-31, body extent -39,-25 39,25, height 39
SOT563 [mm] "SOT563, 1.25 x 1.7 mm body, 6 pins, 0.375 x 0.5 mm pads, 0.5 x 1.7 mm pitch"
  rrect50% 0.375x0.5 smd mask+0: 1(-0.5,-0.85) 2(0,-0.85) 3(0.5,-0.85) 4(0.5,0.85) 5(0,0.85) 6(-0.5,0.85)
  silkscreen extent -1.32,-1.01 -1.07,-0.76, body extent -0.85,-0.63 0.85,0.63, height 0.6
SOT666 [mm] "SOT666, 1.3 x 1.7 x 0.6 mm body, 0.375 x 0.5 mm pads, 1.6 x 0.538 mm pitch"
  oval 0.5x0.375 smd mask+0.046: 1(-0.85,0.538) 3(-0.85,-0.538) 4(0.85,-0.538) 6(0.85,0.538)
  oval 0.65x0.3 smd mask+0.046: 2(-0.925,0) 5(0.925,0)
  silkscreen extent -1.27,1.1 -1.03,1.35, body extent -0.65,-0.85 0.65,0.85, height 0.6
SRN3015-2R2M [mm] "Inductor, 3.0 x 3.0 x 1.5 mm, 1.0 x 2.7 pads, 2.2 mm pitch"
  rect 1x2.7 smd: 1(-1.1,0) 2(1.1,0)
  body extent -1.5,-1.5 1.5,1.5, height 1.5
SRN5020-100M [mm] "Inductor SRN5020-100M, 10 uH, 5.0 x 5.0 mm x 2.0 body, 1.6 x 5.7 mm pad, 4.7 mm pitch"
  rect 1.6x5.7 smd: 1(-2.35,0) 2(2.35,0)
  body extent -2.5,-2.5 2.5,2.5, height 2
ST-SOT23-6 [mm] "ST SOT23-6 pins, 3.05 x 1.75 mm body, 0.6mm x 1.2mm pads, 0.95 x 2.3 mm pitch"
  oval 0.6x1.2 smd mask+0.051: 1(-0.95,-1.15) 2(0,-1.15) 3(0.95,-1.15) 4(0.95,1.15) 5(0,1.15) 6(-0.95,1.15)
  silkscreen extent -2.21,-1.8 -1.96,-1.55, body extent -1.56,-0.9 1.56,0.9, height 1.35
TESTPAD-TH-1_5mm [mm] "Through-hole testpad, 1.5mm"
  round 1.5 hole 1: 1(0,0)
  silkscreen extent -1,-1 1,1
TESTPAD-TH-35mils [mil] "Through-hole testpad 35 mils"
  round 35 hole 10: 1(0,0)
Varitron_CAP0402 [mil] "Capacitor 0402(1005), max 1mm height"
  rrect21% 24x26 smd: 1(-20,0) 2(20,0)
  body extent -21,-11 21,11, height 39
VARITRON_CAP0402 [mil] "Capacitor 0402(1005), max 1mm height"
  rrect21% 24x26 smd: 1(-20,0) 2(20,0)
  body extent -21,-11 21,11, height 39